# KiCad board MuxPi.kicad_pcb (continued)
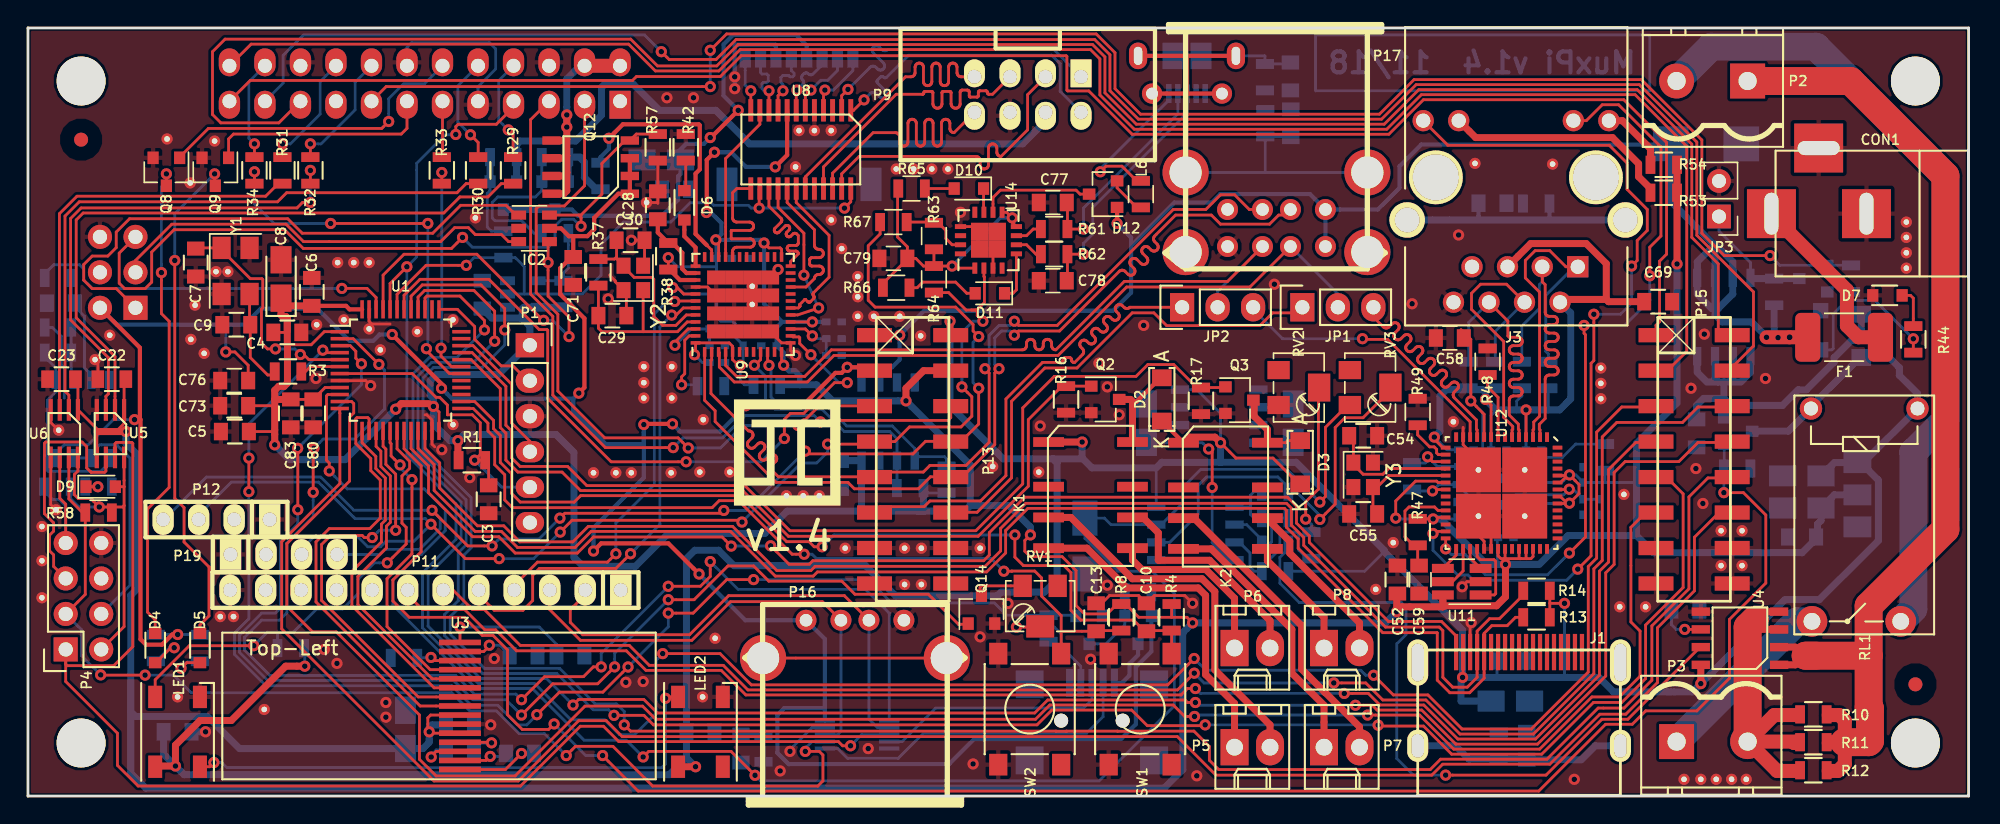
[diagram p0: board, top side]
## Routing (per net, layer and track width the routed paths; a pad name or vN(x,y) marks a point on that pad's centre or on a via; arc(x,y) is an arc through that point) (continued)
(no net): length 55.8
  Bottom w0.2: 116,50.5 116,54.5 92.1,54.5 92.1,50.5 116,50.5
/DUT Power Control/DUT_PWR_CURRENT: length 133.8
  Top w0.2: v1(52,1.49) 50.29,3.2 44.4,3.2 v1(44,2.8) ; U1.10 21.45,28.75 21.35,28.65 21.35,24.05 21.55,23.85 v1(21.55,23.28) ; v1(92.4,21.05) 92.8,21.45 92.8,26.4 94.4,28 RV3.3
  Bottom w0.2: v1(52,1.49) 52.4,1.09 76.62,1.09 82,6.47 82,14.5 80.4,16.1 77.95,16.1 75.6,18.45 D13.1 77,19.9 77.47,19.44 U15.7 81.06,19.44 82.6,20.98 82.6,22.1 83.89,23.39 90.06,23.39 v1(92.4,21.05) ; v1(21.55,23.28) 22.83,22 28.35,22 29.85,20.5 29.85,19 28.15,17.3 27.93,17.3 26.1,15.47 26.1,13.66 32.06,7.7 36.08,7.7 39.78,4 42.8,4 v1(44,2.8)
/DUT Power Control/POWER_SW_ON: length 141
  Top w0.2: v1(121.3,21.72) 122.7,21.72 124.3,20.12 124.3,15.25 121.7,12.65 121.7,8.43 119.37,6.1 115.71,6.1 114.75,5.14 112.84,5.14 108.06,0.36 43.64,0.36 v1(41.1,2.9) ; U1.19 26.9,24.87 28.13,23.65 28.13,17.5 26.1,15.48 26.1,13.97 27.27,12.8 31.2,12.8 32.5,11.5 33.27,11.5 34.3,10.47 34.3,5.82 35.36,4.77 37.23,4.77 v1(37.63,5.17)
  Bottom w0.2: v1(41.1,2.9) 39.9,2.9 v1(37.63,5.17) ; Q1.1 121.32,23.47 R9.1 v1(121.3,21.72)
/DUT UART/DUT_RX_LS: length 91.7
  Top w0.2: U5.7 6.23,25.22 6.33,25.33 7.42,25.33 7.5,25.25 7.5,10.7 6.14,9.34 2.8,9.34 2.7,9.44 P4.1 2.7,8.2 6.4,4.5 6.4,2.2 7.88,0.72 35.23,0.72 39.51,5 41.16,5 42.26,3.9 57.97,3.9 58.27,3.6 v1(58.83,3.6)
  Bottom w0.2: v1(58.83,3.6) 59.63,4.4 U13.3
/DUT UART/DUT_TX_LS: length 78.4
  Top w0.2: P4.3 4.1,14.44 4.1,20.1 2.93,21.28 U6.7 ; v1(5.2,8.68) 5.22,8.66 v1(8.38,8.66) ; v1(38.5,2.9) 39.16,3.56 41.84,3.56 44.68,0.72 56.5,0.72 56.86,1.08 56.86,2.94 56.6,3.2 v1(55.6,3.2)
  Bottom w0.2: P4.3 3.82,11.92 3.82,10.05 v1(5.2,8.68) ; v1(55.6,3.2) 55.6,3.43 56.07,3.9 U13.7 ; v1(38.5,2.9) 36.93,4.47 35.13,4.47 33.5,6.1 31.6,6.1 30.3,7.4 11.67,7.4 10.41,8.66 v1(8.38,8.66)
/DUT UART/DUT_UART1_CTS: length 35.8
  Top w0.2: U5.3 5.57,28.62 5.75,28.8 5.75,31.39 3.05,34.09 3.05,41.36 3.8,42.11 19.24,42.11 19.63,42.5 v1(20.2,42.5) ; R32.1 v1(20.2,44.8)
  Bottom w0.2: v1(20.2,42.5) v1(20.2,44.8)
/DUT UART/DUT_UART1_RTS: length 31.5
  Top w0.2: R31.1 17.9,43.85 17,42.95 3.5,42.95 2.25,41.7 2.25,27
/DUT UART/DUT_UART1_RX: length 47.1
  Top w0.2: R29.1 33.85,43.85 32.9,42.9 30.89,42.9 29.74,41.75 3.95,41.75 3.45,41.25 3.45,34.25 6.23,31.47 U5.2
/DUT UART/DUT_UART1_TX: length 44.5
  Top w0.2: R30.1 31.34,43.85 30.69,43.2 18.5,43.2 17.85,42.55 3.67,42.55 2.65,41.53 2.65,28.99 2.93,28.71 U6.2
/DUT UART/UART_PWM: length 26.6
  Top w0.2: v1(22.45,36.35) 24.25,36.35 24.9,35.7 U1.46
  Bottom w0.2: v1(22.45,36.35) 22.44,36.34 4.59,36.34 3.99,36.94 3.99,37.74 3.69,38.05 1.85,38.05 1.2,37.4 R7.2
/Dynamic Jumpers/DYPER_1: length 60.3
  Top w0.2: Q2.1 R16.1 73.95,29.35 71.55,26.95 71.55,22.19 67.96,18.6 54.39,18.6 51.12,21.87 39.82,21.87 39.53,21.87 38.2,23.2 35.04,23.2 34.18,24.05 34.18,25.99 33.78,26.39 33.78,29.17 31.7,31.25 U1.32
/Dynamic Jumpers/DYPER_2: length 71.5
  Top w0.2: Q3.1 85.6,29.25 R17.1 83.6,29.25 81.95,30.9 80.1,30.9 79.25,30.05 73.41,30.05 71.15,27.79 71.15,22.35 67.8,19 54.5,19 51.27,22.23 39.97,22.23 38.6,23.6 35.21,23.6 34.58,24.22 34.58,26.15 34.18,26.55 34.18,29.33 31.77,31.75 U1.33
/Ethernet/RX+: length 21.3
  Top w0.2: J3.4 105.75,36.65 103.9,36.65 103.25,36 103.25,34.85 105.55,32.55 105.55,27.12 106.2,26.47 106.2,26.27 106.15,26.22 U12.6
  Bottom w0.2: R52.2 104.95,33.27 J3.4
/Ethernet/RX-: length 20.9
  Top w0.2: J3.6 105.85,34.01 105.85,32.95 105.95,32.85 106.58,32.85 106.64,32.84 106.71,32.82 106.76,32.78 106.81,32.74 106.85,32.68 106.87,32.62 106.88,32.55 106.87,32.48 106.85,32.42 106.81,32.36 106.76,32.32 106.71,32.28 106.64,32.26 106.58,32.25 106.25,32.25 106.18,32.24 106.12,32.22 106.06,32.18 106.02,32.14 105.98,32.08 105.96,32.02 105.95,31.95 105.96,31.88 105.98,31.82 106.02,31.76 106.06,31.72 106.12,31.68 106.18,31.66 106.25,31.65 106.58,31.65 106.64,31.64 106.71,31.62 106.76,31.58 106.81,31.54 106.85,31.48 106.87,31.42 106.88,31.35 106.87,31.28 106.85,31.22 106.81,31.16 106.76,31.12 106.71,31.08 106.64,31.06 106.58,31.05 106.25,31.05 106.18,31.04 106.12,31.02 106.06,30.98 106.02,30.94 105.98,30.88 105.96,30.82 105.95,30.75 105.96,30.68 105.98,30.62 106.02,30.56 106.06,30.52 106.12,30.48 106.18,30.46 106.25,30.45 106.58,30.45 106.64,30.44 106.71,30.42 106.76,30.38 106.81,30.34 106.85,30.28 106.87,30.22 106.88,30.15 106.87,30.08 106.85,30.02 106.81,29.96 106.76,29.92 106.71,29.88 106.64,29.86 106.58,29.85 106.25,29.85 106.18,29.84 106.12,29.82 106.06,29.78 106.02,29.74 105.98,29.68 105.96,29.62 105.95,29.55 105.96,29.48 105.98,29.42 106.02,29.36 106.06,29.32 106.12,29.28 106.18,29.26 106.25,29.25 106.58,29.25 106.64,29.24 106.71,29.22 106.76,29.18 106.81,29.14 106.85,29.08 106.87,29.02 106.88,28.95 106.87,28.88 106.85,28.82 106.81,28.76 106.76,28.72 106.71,28.68 106.64,28.66 106.58,28.65 106.25,28.65 106.18,28.64 106.12,28.62 106.06,28.58 106.02,28.54 105.98,28.48 105.96,28.42 105.95,28.35 105.95,27.28 106.6,26.63 106.6,26.27 106.65,26.22 U12.5
  Bottom w0.2: R55.2 103.05,33.91 J3.6
/Ethernet/TX+: length 25.8
  Top w0.2: U12.3 107.65,26.22 107.7,26.27 107.7,26.78 108.12,27.2 108.12,36.08 107.1,37.1 107.1,38.35 107.8,39.05 108.85,39.05 110,37.9 J3.1
  Bottom w0.2: J3.1 110.61,37.9 108.56,35.85 108.56,31.84 108.75,31.65 R50.2
/Ethernet/TX-: length 25.2
  Top w0.2: J3.3 108.31,36.82 108.52,36.61 108.52,34.65 108.53,34.58 108.55,34.52 108.58,34.46 108.63,34.42 108.69,34.38 108.75,34.36 108.82,34.35 109.1,34.35 109.17,34.34 109.23,34.32 109.29,34.28 109.34,34.24 109.37,34.18 109.4,34.12 109.4,34.05 109.4,33.98 109.37,33.92 109.34,33.86 109.29,33.82 109.23,33.78 109.17,33.76 109.1,33.75 108.82,33.75 108.75,33.74 108.69,33.72 108.63,33.68 108.58,33.64 108.55,33.58 108.53,33.52 108.52,33.45 108.53,33.38 108.55,33.32 108.58,33.26 108.63,33.22 108.69,33.18 108.75,33.16 108.82,33.15 109.15,33.15 109.22,33.14 109.28,33.12 109.34,33.08 109.39,33.04 109.42,32.98 109.45,32.92 109.45,32.85 109.45,32.78 109.42,32.72 109.39,32.66 109.34,32.62 109.28,32.58 109.22,32.56 109.15,32.55 108.82,32.55 108.75,32.54 108.69,32.52 108.63,32.48 108.58,32.44 108.55,32.38 108.53,32.32 108.52,32.25 108.53,32.18 108.55,32.12 108.58,32.06 108.63,32.02 108.69,31.98 108.75,31.96 108.82,31.95 109.15,31.95 109.22,31.94 109.28,31.92 109.34,31.88 109.39,31.84 109.42,31.78 109.45,31.72 109.45,31.65 109.45,31.58 109.42,31.52 109.39,31.46 109.34,31.42 109.28,31.38 109.22,31.36 109.15,31.35 108.82,31.35 108.75,31.34 108.69,31.32 108.63,31.28 108.58,31.24 108.55,31.18 108.53,31.12 108.52,31.05 108.53,30.98 108.55,30.92 108.58,30.86 108.63,30.82 108.69,30.78 108.75,30.76 108.82,30.75 109.15,30.75 109.22,30.74 109.28,30.72 109.34,30.68 109.39,30.64 109.42,30.58 109.45,30.52 109.45,30.45 109.45,30.38 109.42,30.32 109.39,30.26 109.34,30.22 109.28,30.18 109.22,30.16 109.15,30.15 108.82,30.15 108.75,30.14 108.69,30.12 108.63,30.08 108.58,30.04 108.55,29.98 108.53,29.92 108.52,29.85 108.52,27.04 108.1,26.62 108.1,26.27 108.15,26.22 U12.2
  Bottom w0.2: J3.3 108.31,36.82 108.1,36.61 108.1,34.91 106.85,33.66 R51.2
/Ethernet/USB_ETH+: length 20.1
  Top w0.2: v1(95.45,32.75) 95.5,32.7 97.25,32.7 103.15,26.8 U12.12
  Bottom w0.2: JP2.3 87.63,34.85 89.73,32.75 v1(95.45,32.75)
/Ethernet/USB_ETH-: length 20
  Top w0.2: JP1.3 96.2,35 96.2,34.33 96.93,33.6 96.99,33.56 97.05,33.53 97.11,33.51 97.18,33.51 97.24,33.53 97.3,33.56 97.36,33.6 97.56,33.81 97.62,33.85 97.68,33.88 97.74,33.89 97.81,33.89 97.88,33.88 97.94,33.85 97.99,33.81 98.03,33.75 98.06,33.69 98.07,33.63 98.07,33.56 98.06,33.5 98.03,33.44 97.99,33.38 97.78,33.18 97.74,33.12 97.71,33.06 97.7,33 97.7,32.93 97.71,32.86 97.74,32.8 97.78,32.75 97.83,32.71 97.89,32.68 97.96,32.67 98.03,32.67 98.09,32.68 98.15,32.71 98.21,32.75 98.41,32.96 98.47,33 98.53,33.03 98.59,33.04 98.66,33.04 98.72,33.03 98.78,33 98.84,32.96 98.88,32.91 98.91,32.85 98.92,32.78 98.92,32.71 98.91,32.65 98.88,32.59 98.84,32.53 98.63,32.33 98.59,32.27 98.56,32.21 98.54,32.15 98.54,32.08 98.56,32.02 98.59,31.96 98.63,31.9 98.68,31.86 98.74,31.83 98.81,31.82 98.88,31.82 98.94,31.83 99,31.86 99.05,31.9 99.26,32.11 99.31,32.15 99.37,32.18 99.44,32.2 99.51,32.2 99.57,32.18 99.63,32.15 99.69,32.11 99.73,32.06 99.76,32 99.77,31.93 99.77,31.86 99.76,31.8 99.73,31.74 99.69,31.69 99.48,31.48 99.44,31.43 99.41,31.37 99.39,31.3 99.39,31.23 99.41,31.17 99.44,31.11 99.48,31.05 99.53,31.01 99.59,30.98 99.66,30.97 99.72,30.97 99.79,30.98 99.85,31.01 99.9,31.05 100.11,31.26 100.16,31.3 100.22,31.33 100.29,31.35 100.36,31.35 100.42,31.33 100.48,31.3 100.53,31.26 100.58,31.21 100.61,31.15 100.62,31.08 100.62,31.02 100.61,30.95 100.58,30.89 100.53,30.84 100.33,30.63 100.29,30.58 100.26,30.52 100.24,30.45 100.24,30.38 100.26,30.32 100.29,30.26 100.33,30.21 100.38,30.16 100.44,30.13 100.51,30.12 100.57,30.12 100.64,30.13 100.7,30.16 100.75,30.21 100.96,30.41 101.01,30.45 101.07,30.48 101.14,30.5 101.2,30.5 101.27,30.48 101.33,30.45 101.38,30.41 101.42,30.36 101.45,30.3 101.47,30.23 101.47,30.17 101.45,30.1 101.42,30.04 101.38,29.99 101.18,29.78 101.13,29.73 101.1,29.67 101.09,29.6 101.09,29.54 101.1,29.47 101.13,29.41 101.18,29.36 101.23,29.32 101.29,29.29 101.35,29.27 101.42,29.27 101.49,29.29 101.55,29.32 101.6,29.36 101.81,29.56 101.86,29.61 101.92,29.64 101.99,29.65 102.05,29.65 102.12,29.64 102.18,29.61 102.23,29.56 102.27,29.51 102.3,29.45 102.32,29.39 102.32,29.32 102.3,29.25 102.27,29.19 102.23,29.14 102.02,28.93 101.98,28.88 101.95,28.82 101.94,28.75 101.94,28.69 101.95,28.62 101.98,28.56 102.02,28.51 103.6,26.93 103.6,26.27 103.65,26.22 U12.11
/Hdmi/HDMI_HOT_PLUG: length 90.7
  Top w0.2: J1.19 102.15,11.46 101.11,12.5 97.31,12.5 91.65,18.16 91.65,18.62 90.73,19.54 90.73,20.76 90.09,21.4 71.3,21.4 68.76,18.86 68.76,17.26 68.35,16.85 56.14,16.85 55.89,16.6 54.44,16.6 v1(53.12,17.92) ; U1.20 27.4,24.88 28.65,23.63 28.65,21.72 31.8,18.57 33.68,18.57 34.85,17.4 39.3,17.4 40.45,18.55 49.65,18.55 v1(50.3,17.9)
  Bottom w0.2: v1(50.3,17.9) 53.1,17.9 v1(53.12,17.92)
/Hdmi/HDMI_SCL: length 101.8
  Top w0.2: R13.2 106.4,12.8 105.8,12.2 104.7,12.2 104.15,11.65 J1.15 104.15,8.43 103.11,7.4 101.7,7.4 100.8,8.3 100.8,11.68 100.78,11.7 96.9,11.7 90.85,17.75 90.85,18.4 90.01,19.24 90.01,20.46 89.87,20.6 71.51,20.6 69.93,19.01 69.93,17.41 68.57,16.05 56.47,16.05 56.17,15.75 53.45,15.75 50.25,18.95 40.28,18.95 39.13,17.8 35.02,17.8 33.86,18.95 31.98,18.95 29.05,21.88 29.05,23.74 27.9,24.89 U1.21
/Hdmi/HDMI_SDA: length 101.8
  Top w0.2: R14.2 106.95,14.4 105.25,12.7 104.54,12.7 103.65,11.81 J1.16 103.65,8.5 102.95,7.8 101.9,7.8 101.2,8.5 101.2,11.84 100.94,12.1 97.1,12.1 91.25,17.95 91.25,18.51 90.37,19.39 90.37,20.61 90.02,20.96 71.37,20.96 69.57,19.16 69.57,17.55 68.46,16.45 56.3,16.45 56,16.15 53.56,16.15 50.4,19.31 40.08,19.31 38.97,18.2 35.18,18.2 34.03,19.35 32.15,19.35 29.45,22.05 29.45,23.85 28.4,24.9 U1.22
/Lthor/LTHOR_ID: length 87.8
  Top w0.2: v1(45.8,14.06) 47.65,14.06 50.06,16.48 51.9,16.48 52.99,15.39 58.21,15.39 59.15,14.45 64.4,14.45 66.55,12.3 67.15,12.3 ; v1(19.3,20.5) 19.3,24.89 v1(19.29,24.9) ; v1(41.96,9.25) 40.75,8.04 37.54,8.04 v1(35.3,5.8) ; v1(23.85,30.95) 23.45,31.35 23.45,31.85 23.05,32.25 U1.3
  Bottom w0.2: v1(45.8,14.06) 41.96,10.22 v1(41.96,9.25) ; v1(19.3,20.5) 19.3,19.48 18.05,18.23 18.05,13.45 17.7,13.1 16.71,13.1 15.13,11.52 15.13,10.3 17.15,8.28 30.44,8.28 31.82,6.9 34.2,6.9 v1(35.3,5.8) ; v1(19.29,24.9) 23.85,29.46 v1(23.85,30.95)
/Lthor/LTHOR_SWITCH: length 92.5
  Top w0.2: v1(48.8,16.79) 48.8,15.72 48.1,15.02 v1(45.8,15.02) ; v1(20.45,24.9) 20.4,24.85 v1(20.4,21.75) ; v1(35.3,6.9) 36.95,8.55 39.73,8.55 40.43,9.25 v1(41,9.25) ; v1(25.1,30.91) 23.26,32.75 U1.2
  Bottom w0.2: 61.6,13.1 59.9,14.8 50.79,14.8 v1(48.8,16.79) ; 61.6,13.1 61.6,13.1 ; 61.6,13.1 U13.1 ; v1(35.3,6.9) 34.9,7.3 31.93,7.3 30.59,8.64 17.3,8.64 15.49,10.45 15.49,11.37 16.71,12.59 17.99,12.59 18.52,13.12 18.52,18.12 20.4,20 v1(20.4,21.75) ; v1(45.8,15.02) 41,10.22 v1(41,9.25) ; v1(20.45,24.9) 21.11,25.56 23.35,25.56 25.5,27.71 25.5,30.51 v1(25.1,30.91)
/Lthor/LTHOR_VBUS: length 93.9
  Top w0.2: v1(45.8,13.1) 47.58,13.1 49.98,15.5 v1(51.9,15.5) ; v1(15.8,21.8) v1(15.8,24.2) ; v1(21.09,31.93) 21.27,31.75 U1.4 ; v1(36.4,5.83) 38.01,7.44 41.12,7.44 v1(42.92,9.24)
  Bottom w0.2: v1(21.09,31.93) 15.8,26.64 v1(15.8,24.2) ; v1(45.8,13.1) 45.8,12.12 v1(42.92,9.24) ; v1(51.9,15.5) 60.1,15.5 61.77,13.83 69.12,13.83 70,12.95 R24.1 74.9,12.95 Q13.1 ; v1(36.4,5.83) 35.67,5.1 35.01,5.1 33.61,6.5 31.71,6.5 30.31,7.9 17.02,7.9 14.77,10.15 14.77,11.67 15.8,12.7 v1(15.8,21.8)
/Lthor/USB_ID: length 9.2
  Top w0.2: v1(70.7,12.1) 72.35,12.1 RV1.2
  Bottom w0.2: v1(70.7,12.1) 73.42,12.1 73.91,11.61 73.91,10.69 75.3,9.3 J5.4
/Microcontroller/ADC1: length 140.8
  Top w0.2: P15.11 115.71,20.3 114.65,19.25 114.65,12.47 115.3,11.81 115.3,8.58 113.82,7.1 111.86,7.1 108.12,3.36 101.98,3.36 99.54,5.8 v1(95.82,5.8) ; v1(83.44,5.7) 82.74,5.7 81.92,6.52 73.09,6.52 72.07,5.5 44.9,5.5 43.96,6.44 39.84,6.44 34.84,1.44 29.19,1.44 28,2.63 28,5.81 22.05,11.76 20.35,11.76 18.52,13.59 18.52,18.07 23,22.55 23,27.13 23.3,27.43 23.3,28.1 23.15,28.25 U1.11
  Bottom w0.2: v1(83.44,5.7) 83.54,5.8 v1(95.82,5.8)
/Microcontroller/ADC2: length 140.6
  Top w0.2: 22.35,27.7 U1.12 22.3,27.43 22.31,27.41 22.31,22.37 18.15,18.21 18.15,11.97 29.04,1.08 35.07,1.08 39.39,5.4 41.36,5.4 42.5,4.26 82.21,4.26 84.97,1.5 100.41,1.5 101.19,2.28 108.85,2.28 112.43,5.86 114.28,5.86 116.55,8.13 116.55,12.05 119.2,14.7 119.2,18.54 120.9,20.24
/Microcontroller/NRST: length 22
  Top w0.2: C3.1 32.95,23.55 32.45,24.05 v1(31.95,24.05) 32.35,24.45 32.35,26.73 31.78,27.3 30,27.3 30,28 29.45,28.55 29.19,28.55 27.49,30.25 U1.7
  Bottom w0.2: v1(31.95,24.05) 33.88,22.12 P1.5
/Microcontroller/OLED_~{D/C}: length 24.4
  Top w0.2: U1.13 23.9,25.3 24.88,24.32 24.88,23.45 25.56,22.77 25.56,19.75 25.28,19.47 25.28,18.83 25.28,18.2 23.17,16.08 23.17,13.63 29.05,7.75 U3.10
/Microcontroller/OLED_~{RES}: length 30.1
  Top w0.2: U1.16 25.4,25.04 25.6,24.84 25.6,23.75 26.3,23.05 v1(26.3,19.03) ; U3.9 27.91,7.1 21,14.01 21,18.02 21.65,18.66 23.91,18.66 24.05,18.51 v1(24.62,18.51)
  Bottom w0.2: v1(26.3,19.03) 25.14,19.03 v1(24.62,18.51)
/Microcontroller/PI_GPIO_1: length 166.9
  Top w0.2: 115.38,27.93 115.32,27.86 114,27.86 112.2,26.06 112.2,17.03 111.6,16.43 111.6,8.87 107.53,4.8 102.57,4.8 100.13,7.24 97.66,7.24 v1(96.25,8.65) ; v1(27.1,37.9) 25.9,36.7 U1.44 ; v1(30.6,47.37) 30.6,47.94 30.76,48.1 33.5,48.1 34.73,49.33 P14.7 ; v1(83.41,9.85) 81.52,7.96 51.74,7.96 49.5,10.2 v1(45.4,10.2)
  Bottom w0.2: v1(45.4,10.2) 44.94,9.74 44.94,5.94 43.4,4.4 42.31,4.4 41.25,5.46 38.84,5.46 36.24,8.06 32.21,8.06 28.22,12.05 28.22,15.99 30.62,18.39 30.62,20.91 27.1,24.43 v1(27.1,37.9) 27.8,38.6 27.8,45.3 29.85,47.35 30.58,47.35 v1(30.6,47.37) ; v1(83.41,9.85) 84.25,9.01 95.32,9.01 95.68,8.65 v1(96.25,8.65)
/Microcontroller/SOCKET_SEL: length 44.7
  Top w0.2: v1(31.35,38) 28.47,38 26.4,35.93 U1.43 ; v1(52.3,42.1) 52.3,43.45 U8.14 ; U8.24 58.85,42.55 v1(58.4,42.1)
  Bottom w0.2: U7.2 35.5,35.95 ; 35.5,35.95 39.65,35.95 40.99,37.29 40.99,39.49 42.6,41.1 45.98,41.1 47.36,42.49 48.86,42.49 49.05,42.3 51.53,42.3 51.73,42.1 v1(52.3,42.1) v1(58.4,42.1) ; 35.5,35.95 35.5,37.9 34.85,38.55 R76.2 31.9,38.55 v1(31.35,38)
/Microcontroller/SPI1_MOSI: length 21.9
  Top w0.2: U3.12 28.77,9.05 25.68,12.14 25.68,15.56 27.47,17.35 v1(27.47,22.66) ; v1(26.61,23.71) 25.97,24.36 25.97,25.23 25.9,25.3 U1.17
  Bottom w0.2: v1(26.61,23.71) 26.61,23.51 v1(27.47,22.66)
/Microcontroller/SPI1_NSS: length 32.7
  Top w0.2: U3.8 28.05,6.45 20.6,13.9 20.6,18.2 21.55,19.15 24.45,19.15 25.2,19.9 25.2,22.62 24.52,23.3 24.52,24.17 23.45,25.24 23.45,27.02 23.53,27.1 24.3,27.1 24.4,27 U1.14
/Microcontroller/SPI1_SCK: length 23.3
  Top w0.2: U3.11 28.91,8.4 23.6,13.71 23.6,15.72 25.64,17.77 25.64,18.98 25.64,19.32 25.92,19.6 25.92,22.92 25.24,23.6 25.24,24.7 24.9,25.04 U1.15
/Microcontroller/ST_GPIO_1: length 147.4
  Top w0.2: U1.39 28.4,35.67 28.53,35.8 30.9,35.8 32.65,34.05 v1(32.65,33.38) ; v1(38.98,6.52) 39.38,6.92 44.05,6.92 45.02,5.95 72.01,5.95 72.94,6.88 82.75,6.88 82.93,6.7 v1(83.5,6.7) ; 120.9,25.32 119.45,25.32 118.08,23.95 114.24,23.95 113.45,23.16 113.45,16.59 112.85,15.99 112.85,8.6 107.97,3.72 102.13,3.72 99.69,6.16 96.49,6.16 96.15,6.5 v1(94.95,6.5)
  Bottom w0.2: v1(38.98,6.52) 37.08,8.42 32.36,8.42 28.62,12.16 28.62,15.83 30.98,18.19 30.98,21.06 27.54,24.5 27.54,30.24 28.71,31.41 30.68,31.41 v1(32.65,33.38) ; v1(94.95,6.5) 83.7,6.5 v1(83.5,6.7)
/Microcontroller/ST_GPIO_2: length 146.7
  Top w0.2: v1(84.2,5.1) 84.14,5.04 80.06,5.04 78.94,6.16 73.24,6.16 72.18,5.1 44.74,5.1 44.06,5.78 v1(41.92,5.78) ; v1(96.57,5.08) 96.64,5.01 99.82,5.01 101.83,3 108.27,3 111.97,6.7 113.99,6.7 115.7,8.41 115.7,12.25 118.39,14.93 118.39,21.64 117.19,22.84 P15.9 ; U1.40 27.9,35.73 28.37,36.2 31.9,36.2 33.38,34.72 v1(33.38,32.57) ; 115.45,22.78 116.19,22.78
  Bottom w0.2: v1(33.38,32.57) 31.86,31.05 28.86,31.05 27.9,30.09 27.9,24.65 31.34,21.21 31.34,17.98 30.78,17.42 30.78,13.99 29.8,13.01 29.8,11.49 32.51,8.78 37.82,8.78 40.42,6.18 41.52,6.18 v1(41.92,5.78) ; 84.1,5.1 v1(84.2,5.1) 96.55,5.1 v1(96.57,5.08)
/Microcontroller/ST_GPIO_3: length 149.1
  Top w0.2: v1(42.65,5.1) 43.1,4.65 73.53,4.65 73.54,4.64 74.26,4.64 74.27,4.65 77.93,4.65 77.94,4.64 78.66,4.64 78.67,4.65 83.4,4.65 84.5,3.55 84.5,2.57 85.17,1.9 100.3,1.9 101.04,2.64 108.64,2.64 112.3,6.3 114.16,6.3 116.15,8.29 116.15,12.19 118.8,14.84 118.8,21.42 120.16,22.78 120.9,22.78 ; v1(34.1,33.37) 34.1,34.9 32.4,36.6 28.2,36.6 27.4,35.8 U1.41
  Bottom w0.2: v1(42.65,5.1) 42.65,6.05 42.1,6.6 40.57,6.6 38.03,9.14 32.66,9.14 30.2,11.6 30.2,12.84 31.18,13.82 31.18,17.25 31.7,17.78 31.7,21.36 28.26,24.8 28.26,29.94 29.01,30.69 32.49,30.69 34.1,32.3 v1(34.1,33.37)
/Microcontroller/ST_USART1_RX: length 15.7
  Top w0.2: U1.31 30.3,30.75 29.54,31.5 v1(29.54,32.07) ; v1(29.6,44.65) R33.1
  Bottom w0.2: v1(29.6,44.65) 29.6,32.13 v1(29.54,32.07)
/Microcontroller/ST_USART1_TX: length 28.5
  Top w0.2: R34.1 v1(16.2,44.7) ; U1.30 30.15,30.25 28.5,31.9 v1(28.5,32.03) ; v1(28.6,41) v1(21.65,41)
  Bottom w0.2: v1(16.2,44.7) 16.2,42.4 17.6,41 v1(21.65,41) ; v1(28.5,32.03) 28.6,32.14 v1(28.6,41)
/Microcontroller/SWCLK: length 9.2
  Top w0.2: P1.2 35.75,29.74 34.68,30.8 33.85,30.8 31.95,32.7 31.95,33.62 30.72,34.85 U1.37
/Microcontroller/SWDIO: length 10.1
  Top w0.2: U1.34 31.83,32.25 34.58,29.5 34.58,26.72 35.9,25.4 P1.4
/Microcontroller/TIM1_CH1: length 33.8
  Top w0.2: U1.18 26.4,24.86 27.3,23.96 27.3,23.47 26.75,22.92 26.75,19.54 27.05,19.24 27.05,18.05 v1(25.7,16.7) ; LED1.4 9.1,8.33 11.54,10.76 v1(16.15,10.76)
  Bottom w0.2: R59.2 17.85,11.68 17.8,11.73 ; 17.8,11.73 17.12,11.73 v1(16.15,10.76) ; 17.8,11.73 18.98,11.73 20.64,13.39 22.5,13.39 23.6,14.48 23.6,15.51 24.79,16.7 v1(25.7,16.7)
/Microcontroller/USER_BUTTON1: length 65.2
  Top w0.2: U1.26 31.95,28.25 33.3,26.9 33.3,26.3 33.78,25.82 33.78,23.89 34.58,23.09 34.58,21.68 35.21,21.05 39.07,21.05 39.53,21.51 39.67,21.51 50.97,21.51 54.27,18.21 55.87,18.21 56.23,17.85 v1(56.8,17.85) ; v1(70.59,18.7) 70.59,17.11 71.2,16.5 74.1,16.5 74.6,16 74.6,13.3 75.3,12.6 79.08,12.6 79.88,11.8 C10.1 80.05,11.85 R4.2 SW1.2
  Bottom w0.2: v1(70.59,18.7) 57.65,18.7 v1(56.8,17.85)
/Microcontroller/USER_BUTTON2: length 59.8
  Top w0.2: R8.2 76.45,11.85 C13.1 73.9,11.8 ; 73.9,11.8 SW2.2 ; 73.9,11.8 73.9,12.92 72.5,14.32 72.5,15.62 72.01,16.11 70.38,16.11 70.37,16.1 v1(69.8,16.1) ; v1(55.52,17.32) 54.66,17.32 50.82,21.15 49.44,21.15 48.94,20.65 34.65,20.65 34.1,21.2 34.1,23.01 33.38,23.72 33.38,25.66 32.9,26.14 32.9,26.7 31.85,27.75 U1.25
  Bottom w0.2: v1(55.52,17.32) 56.08,17.32 56.39,17.01 68.89,17.01 v1(69.8,16.1)
/Microcontroller/WD_RESET: length 26.3
  Top w0.2: v1(38.7,32.9) 38.7,34.3 37.2,35.8 v1(37.2,38.2) 37.2,39.6 IC2.4 ; v1(36.88,34.06) 36.84,34.06 32.1,38.8 26.9,38.8 25.4,37.3 U1.45
  Bottom w0.2: v1(38.7,32.9) 37.54,34.06 v1(36.88,34.06)
/Microcontroller/~{SD_CD_TS}: length 50.4
  Top w0.2: v1(56,31.6) 56.05,31.65 55.95,31.65 55.2,32.4 55.2,32.82 55.14,32.88 54.72,32.88 54.65,32.95 U9.14 ; v1(47.08,23.94) 41.71,23.94 37.18,28.47 37.18,33.35 37.12,33.4 36.56,33.4 32.97,37 28.04,37 26.9,35.86 U1.42 ; v1(54.1,25.6) 54.1,26.97 54.53,27.4 55.49,27.4 57.69,29.6 v1(58.6,29.6)
  Bottom w0.2: v1(54.1,25.6) 52.44,23.94 v1(47.08,23.94) ; v1(58.6,29.6) 58,29.6 v1(56,31.6)
/NanoPi/I2C0_SCL: length 54.4
  Top w0.2: v1(56.68,26.79) 57.25,26.79 57.36,26.9 65.8,26.9 66,27.1 66,27.94 ; P14.5 35.95,48.43 35.95,35.94 37.54,34.35 37.54,28.71 41.3,24.95 v1(46.15,24.95)
  Bottom w0.2: v1(46.15,24.95) 46.85,25.65 49.69,25.65 51.29,27.25 56.23,27.25 v1(56.68,26.79)
/NanoPi/I2C0_SDA: length 49.8
  Top w0.2: v1(55.07,26.54) 55.47,26.94 55.59,26.94 56.59,27.94 60.55,27.94 ; 47,25.1 47.05,25.1 v1(47.23,24.93) 46.5,25.65 41.25,25.65 37.9,29 37.9,34.5 36.35,36.05 36.35,42.05 36.55,42.25 38.36,42.25 39.81,43.7 P14.3
  Bottom w0.2: v1(55.07,26.54) 51.14,26.54 49.53,24.93 v1(47.23,24.93)
/NanoPi/PI_GPIO_2: length 115.7
  Top w0.2: v1(93.4,8.1) 95.68,8.1 96.9,6.88 99.98,6.88 102.42,4.44 107.67,4.44 112,8.77 112,16.27 112.6,16.87 112.6,25.72 113.63,26.75 118.34,26.75 119.45,27.86 120.9,27.86 ; v1(83.42,8.8) 82.22,7.6 51.49,7.6 49.73,9.36 44.44,9.36 43.01,10.79 35.21,10.79 32.65,13.35 31.8,13.35 30.4,14.75 P11.6
  Bottom w0.2: v1(83.42,8.8) 84.12,8.1 v1(93.4,8.1)
/NanoPi/PI_GPIO_3: length 110.3
  Top w0.2: 115.45,25.32 114.99,25.32 113.05,23.38 113.05,16.75 112.4,16.1 112.4,8.66 107.82,4.08 102.28,4.08 99.84,6.52 96.7,6.52 95.87,7.35 v1(94.15,7.35) ; v1(83.5,7.7) 82.93,7.7 82.47,7.24 51.35,7.24 49.59,9 44.2,9 42.8,10.4 34.95,10.4 33.45,11.9 32.68,11.9 31.23,13.35 28.22,13.35 27.16,14.41 P11.7
  Bottom w0.2: v1(94.15,7.35) 83.85,7.35 v1(83.5,7.7)
/NanoPi/PI_PWR: length 18.2
  Top w0.5: 38.54,44.64 38.54,43.34 38.33,43.13 Q12.8 ; 38.54,44.64 38.3,44.4 Q12.7 ; 38.54,44.64 38.54,45.84 ; 37.8,46.94 Q12.5 38.44,46.94 38.54,47.04 ; 38.54,45.84 38.37,45.67 Q12.6 ; 38.54,45.84 38.54,47.04 ; 38.54,47.04 v1(38.54,47.9) v1(38.54,48.77)
  Top w1: P14.2 P14.4
  Bottom w0.5: v1(38.54,48.77) v1(38.54,47.9) ; v1(38.54,48.77) 38.6,48.71 ; v1(38.54,48.77) 38.54,51.34 39.49,52.29
  Bottom w0.6: P14.4 39.49,52.29
/NanoPi/PI_UART0_RX: length 97
  Top w0.2: P13.8 66.74,25.38 68,26.64 v1(68,29.2) ; R67.1 60.95,40.25 60.1,39.4 60.1,35.5 60.59,35.01 66.36,35.01 67.6,33.77 67.6,33.3 v1(68,32.9) ; v1(38.05,19.9) 38.4,20.25 49.57,20.25 v1(49.77,20.45) ; 66,25.4 64.2,25.4 63.3,24.5 55.8,24.5 v1(55.6,24.7) ; v1(33.2,17.91) 31.46,17.91 v1(28.9,20.46)
  Bottom w0.2: v1(33.2,17.91) 33.69,18.4 36.55,18.4 v1(38.05,19.9) ; v1(68,32.9) 67.6,32.5 67.6,29.6 v1(68,29.2) ; 9.68,19.75 12.77,22.84 20.93,22.84 23.31,20.46 v1(28.9,20.46) 29.49,19.88 29.49,19.15 28,17.66 25.53,17.66 25.17,17.3 22.07,17.3 ; v1(55.6,24.7) 51.35,20.45 v1(49.77,20.45)
/NanoPi/PI_UART0_TX: length 91.2
  Top w0.2: v1(68.3,34) 67.9,34.4 67.9,34.7 67.8,34.8 67.5,34.8 ; P13.7 62,25.38 63.05,26.43 66.74,26.43 67.51,27.2 67.51,28.59 v1(66.8,29.3) ; U14.2 68.38,37.2 68.41,37.16 68.41,35.34 67.87,34.8 67.5,34.8 ; v1(33.7,17) 31.29,17 v1(28.83,19.47) ; v1(57.2,25.2) 60.35,25.2 60.55,25.4 ; R64.2 65.85,36.05 67.1,34.8 67.5,34.8 ; v1(38.07,18.9) 38.92,19.75 50.94,19.75 v1(51.07,19.62)
  Bottom w0.2: v1(57.2,25.2) 57.2,24.63 56.42,23.85 55.3,23.85 v1(51.07,19.62) ; P12.3 12.21,20.14 14.55,22.48 20.78,22.48 23.4,19.87 28.43,19.87 v1(28.83,19.47) 27.61,18.25 25.61,18.25 25.22,17.85 24.3,17.85 23.5,18.66 20.55,18.66 19.53,17.64 19.53,17.3 ; v1(66.8,29.3) 66.8,33.2 67.6,34 v1(68.3,34) ; v1(33.7,17) 36.17,17 v1(38.07,18.9) ; 12.22,19.75 12.22,20.09
/NanoPi/PI_UART1_CTS: length 8.5
  Top w0.2: R31.2 v1(18.2,46.7)
  Bottom w0.2: v1(18.2,46.7) 18.77,46.7 20.9,48.83 20.9,51.16 P14.18
/NanoPi/PI_UART1_RTS: length 8.8
  Top w0.2: R32.2 v1(20.2,46.7)
  Bottom w0.2: v1(20.2,46.7) 20.97,46.7 23.4,49.13 23.4,51.12 P14.16
/NanoPi/PI_UART1_RX: length 7.7
  Top w0.2: v1(31.65,47.35) 32.2,46.8 R30.2
  Bottom w0.2: v1(31.65,47.35) 30.75,48.25 30.75,50.85 P14.10
/NanoPi/PI_UART1_TX: length 7.4
  Top w0.2: R29.2 34.7,47.36 v1(34.36,47.7)
  Bottom w0.2: v1(34.36,47.7) 33.67,48.39 33.67,51.23 P14.8
/NanoPi/PI_UART2_RX: length 7.2
  Top w0.2: v1(16.2,46.7) R34.2
  Bottom w0.2: P14.22 15.8,51.14 15.8,47.1 v1(16.2,46.7)
/NanoPi/PI_UART2_TX: length 4
  Top w0.2: P14.11 29.65,46.35 29.6,46.3 R33.2
/NanoPi/PWR_CTRL: length 123.7
  Top w0.2: v1(124.6,38.7) 121.32,38.7 119.72,40.3 119.72,46.97 115.4,51.3 99.14,51.3 96.67,48.82 79.58,48.82 77.75,50.65 77.75,53.22 76.41,54.57 49.97,54.57 v1(48.8,53.4) ; P14.15 25.62,50.8 v1(48.8,50.8)
  Bottom w0.2: v1(48.8,50.8) v1(48.8,53.4) ; v1(124.6,38.7) 125.3,38 Q10.1 R45.1
/NanoPi/SPI0_CLK: length 124.6
  Top w0.2: 115.44,33 115.45,33 115.71,33 ; P14.23 15.9,51.24 43.24,51.24 43.52,51.52 49.52,51.52 51.01,53.01 74.26,53.01 74.31,52.96 74.31,50.54 74.36,50.49 75.87,50.49 78.98,47.38 97.34,47.38 99.81,49.86 114.14,49.86 117.2,46.8 117.2,38.8 116.7,38.3 116.7,33.97 116.44,33.71 P15.1